# Altium PCB Carte_GR_2017_logique_v1_ECO_JEAN.PcbDoc (part 1 of 3) (continued)
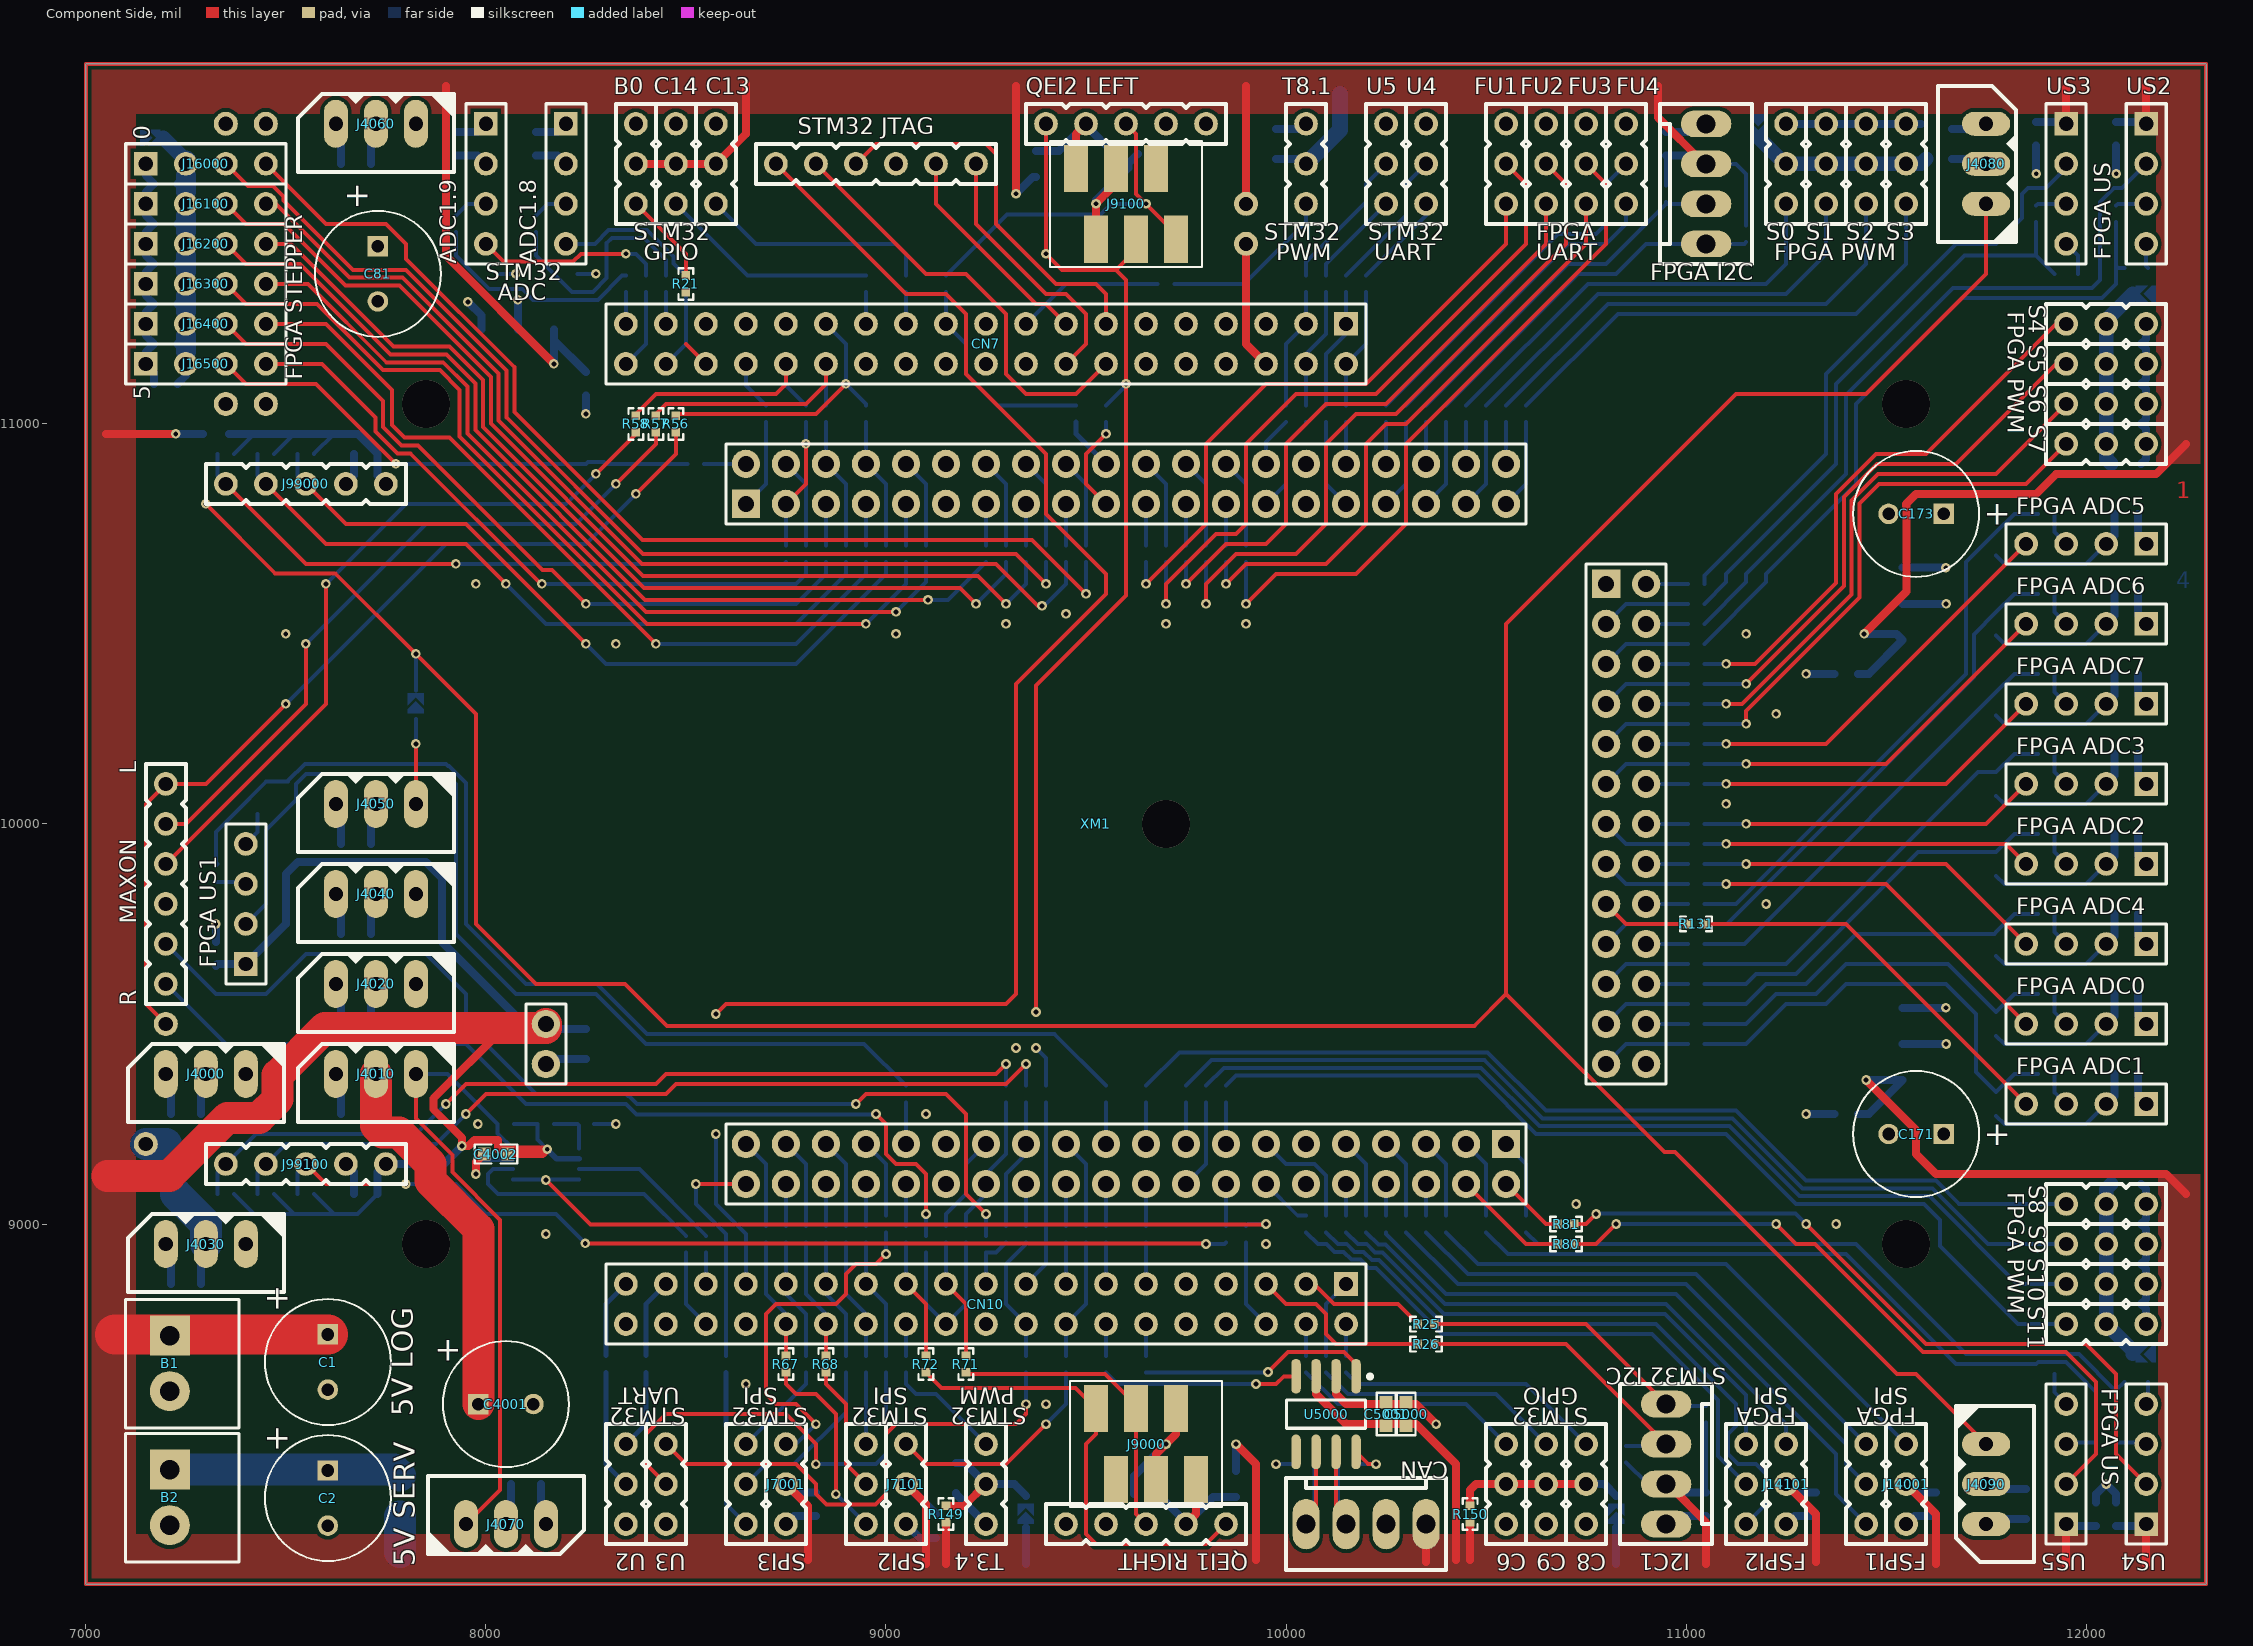
[diagram p0: Component Side view]
## Design rules (kind name [scope] priority, off if disabled: settings)
Clearance Clearance_2 [IsRegion and InComponent('SB*') vs InNet('DYNA_D0')] p1: gap=0
Clearance Clearance_1 [IsPad and InComponent('SB1')] p2: gap=0
Clearance [All] p3: gap=9.5
ComponentClearance [All] p1: gap=-1 collisioncheckmode=3 verticalgap=10 showdistances=FALSE
PolygonConnect [All] p1: connectstyle=Direct reliefconductorwidth=20 reliefentries=4 polygonreliefangle="90 Angle" airgapwidth=10
RoutingVias [All] p1: holewidth=28 width=50 viastyle="Through Hole" minholewidth=6 minwidth=10 maxholewidth=5000 maxwidth=5000
ShortCircuit ShortCircuit_4 [IsRegion and InComponent('SB*') vs InNet('DYNA_D0')] p1: allowed=TRUE
ShortCircuit ShortCircuit_3 [IsRegion and InComponent('SB*') vs InNet('VCC_DYNA')] p2: allowed=TRUE
ShortCircuit ShortCircuit_2 [IsRegion and InComponent('SB*') vs InNet('5V_SERVO')] p3: allowed=TRUE
ShortCircuit ShortCircuit_1 [IsPad and InComponent('SB*')] p4: allowed=TRUE
ShortCircuit [All] p5: allowed=FALSE
SolderMaskExpansion [All] p1: expansion=4
Width [All] p1: maxlimit=1000 minlimit=10 preferedwidth=20
28 further rules are at their usual default settings.

## Classes and differential pairs
component class core_logique: C3 CN7 CN10 R1 R2 R5 R6 R7 R8 R9 R12 R13 R14 R15 R16 R17 R18 R19 R20 R21 R22 R23 R24 R25 R26 R27 R28 R29 R31 R32 R33 R34 R35 R36 R38 R39 R40 R41 R42 R43 R44 R45 R46 R47 R48 R49 R50 R51 R52 R53 R54 R56 R57 R58 R60 R61 R62 R63 R64 R65 R66 R67 R68 R69 R70 R71 R72 R73 R74 R75 R76 R77 R78 R79 R80 R81 R82 R83 R84 R85 R86 R87 R88 R89 R90 R91 R92 R93 R94 R95 R96 R97 R98 R99 R100 R101 R102 R103 R104 R105 R106 R107 R108 R109 R110 R111 R112 R113 R114 R115 R116 R117 R118 R119 R120 R121 R122 R123 R124 R125 R126 R127 R128 R129 R130 R131 R132 R133 R134 R135 R136 R137 R138 R139 R140 R141 R142 R143 R144 R145 R146 R147 XM1
component class divers: B1 B2 C1 C2 C80 C81 C170 C171 C172 C173 FB2 LDO80 LDO170 LDO171
component class interfaces_fpga: C11000 C11010 C11020 C11030 C11040 C11050 C11060 C11070 C11080 C11090 C11100 C11110 C13000 C14000 C14100 C15000 C15001 C15100 C15101 C15200 C15201 C15300 C15301 C15400 C15401 C16000 C16100 C16200 C16300 C16400 C16500 C17000 C17001 C17100 C17101 C17200 C17201 C17300 C17301 C17400 C17401 C17500 C17501 C17600 C17601 C17700 C17701 C99000 C99100 "FPGA ADC0" "FPGA ADC1" "FPGA ADC2" "FPGA ADC3" "FPGA ADC4" "FPGA ADC5" "FPGA ADC6" "FPGA ADC7" "FPGA I2c" "FPGA US1" FSPI1 FSPI2 FU1 FU2 FU3 FU4 J14001 J14101 J16100 J16200 J16300 J16400 J16500 J99000 J99100 P0 R13000 R13001 R15000 R15100 R15200 R15300 R15400 R17000 R17100 R17200 R17300 R17400 R17500 R17600 R17700 R99000 R99001 R99002 R99100 R99101 R99102 S0 S1 S2 S3 S4 S5 S6 S7 S8 S9 S10 S11 US2 US3 US4 US5
component class interfaces_nucleo: ADC1.8 ADC1.9 B0 C6 C8 C9 C13 C14 C2100 C2400 C4000 C4001 C4002 C4010 C4020 C4030 C4040 C4050 C4060 C4070 C4080 C4090 C5000 C5001 C6100 C7000 C7100 C8000 C8001 C8100 C8101 C9000 C9100 CAN FB9000 FU4 I2C1 J4000 J4010 J4020 J4030 J4040 J4050 J4060 J4070 J4080 J4090 J7001 J7101 J9000 J9100 MAXON "QEI1 RIGHT" "QEI2 LEFT" R4000 R4001 R4002 R5000 R5001 R6100 R6101 R8000 R8100 SPI2 SPI3 T3.4 T8.1 U3 U5 U4000 U5000

## Components (designator, comment, footprint, x,y, rotation, side; value= is the part's Value field where it differs from the comment)
ADC1.8 "MC34645" HDR1X4 8200,11750 r270 top (schematic designator J8100)
ADC1.9 "MC34645" HDR1X4 8000,11750 r270 top (schematic designator J8000)
B0 "22-03-2031" 22-03-2031 8375,11650 r90 top (schematic designator J1000)
B1 "1776275-2" BORNIER_2V_3.5MM 7210,8720 r270 top
B2 "1776275-2" BORNIER_2V_3.5MM 7210,8385 r270 top
C1 "470 uF" WCAP-ATG8_8x11.5x3.5x0.5 7605,8655 r90 top
C2 "470 uF" WCAP-ATG8_8x11.5x3.5x0.5 7605,8315 r90 top
C3 "1uF" "WCAP-CSGP_0805, 2x1.25x1.25" 8250,9450 r90 bottom
C6 "22-03-2031" 22-03-2031 10550,8350 r270 top (schematic designator J1600)
C8 "22-03-2031" 22-03-2031 10750,8350 r270 top (schematic designator J1500)
C9 "22-03-2031" 22-03-2031 10650,8350 r270 top (schematic designator J1400)
C13 "22-03-2031" 22-03-2031 8575,11650 r90 top (schematic designator J1300)
C14 "22-03-2031" 22-03-2031 8475,11650 r90 top (schematic designator J1200)
C80 "1µF" "WCAP-CSGP_0603, 1.6x0.8x0.8" 8250,11100 r270 bottom
C81 "470 uF" WCAP-ATG8_8x11.5x3.5x0.5 7730,11375 r90 top
C170 "1µF" "WCAP-CSGP_0603, 1.6x0.8x0.8" 11400,9275 r180 bottom
C171 "470 uF" WCAP-ATG8_8x11.5x3.5x0.5 11575,9225 r0 top
C172 "1µF" "WCAP-CSGP_0603, 1.6x0.8x0.8" 11400,10375 r180 bottom
C173 "470 uF" WCAP-ATG8_8x11.5x3.5x0.5 11575,10775 r0 top
C2100 "1uF" "WCAP-CSGP_0805, 2x1.25x1.25" 9975,11700 r270 bottom
C2400 "1uF" "WCAP-CSGP_0805, 2x1.25x1.25" 9175,8365 r90 bottom
C4000 "4.7uF" "WCAP-CSGP_0805, 2x1.25x1.25" 7250,9275 r0 bottom
C4001 "470 uF" WCAP-ATG8_8x11.5x3.5x0.5 8050,8550 r180 top
C4002 "100nF" "WCAP-CSGP_0603, 1.6x0.8x0.8" 8025,9175 r180 top
C4010 "4.7uF" "WCAP-CSGP_0805, 2x1.25x1.25" 7675,9275 r0 bottom
C4020 "4.7uF" "WCAP-CSGP_0805, 2x1.25x1.25" 7675,9500 r0 bottom
C4030 "4.7uF" "WCAP-CSGP_0805, 2x1.25x1.25" 7250,8850 r0 bottom
C4040 "4.7uF" "WCAP-CSGP_0805, 2x1.25x1.25" 7675,9725 r0 bottom
C4050 "4.7uF" "WCAP-CSGP_0805, 2x1.25x1.25" 7675,9950 r0 bottom
C4060 "4.7uF" "WCAP-CSGP_0805, 2x1.25x1.25" 7675,11650 r0 bottom
C4070 "4.7uF" "WCAP-CSGP_0805, 2x1.25x1.25" 8100,8350 r180 bottom
C4080 "4.7uF" "WCAP-CSGP_0805, 2x1.25x1.25" 11665,11700 r270 bottom
C4090 "4.7uF" "WCAP-CSGP_0805, 2x1.25x1.25" 11850,8300 r90 bottom
C5000 "1µF" "WCAP-CSGP_0603, 1.6x0.8x0.8" 10300,8525 r90 top
C5001 "100nF" "WCAP-CSGP_0603, 1.6x0.8x0.8" 10250,8525 r90 top
C6100 "1µF" "WCAP-CSGP_0603, 1.6x0.8x0.8" 11050,8300 r270 bottom
C7000 "1µF" "WCAP-CSGP_0603, 1.6x0.8x0.8" 8825,8300 r270 bottom
C7100 "1µF" "WCAP-CSGP_0603, 1.6x0.8x0.8" 9125,8245 r270 bottom
C8000 "1µF" "WCAP-CSGP_0603, 1.6x0.8x0.8" 7925,11700 r270 bottom
C8001 "47nF" "WCAP-CSGP_0603, 1.6x0.8x0.8" 8000,11375 r180 bottom
C8100 "1µF" "WCAP-CSGP_0603, 1.6x0.8x0.8" 8125,11700 r270 bottom
C8101 "47nF" "WCAP-CSGP_0603, 1.6x0.8x0.8" 8200,11375 r180 bottom
C9000 "100nF" "WCAP-CSGP_0603, 1.6x0.8x0.8" 9650,8325 r180 bottom
C9100 "100nF" "WCAP-CSGP_0603, 1.6x0.8x0.8" 9600,11675 r0 bottom
C11000 "1uF" "WCAP-CSGP_0805, 2x1.25x1.25" 11300,11700 r270 bottom
C11010 "1uF" "WCAP-CSGP_0805, 2x1.25x1.25" 11400,11700 r270 bottom
C11020 "1uF" "WCAP-CSGP_0805, 2x1.25x1.25" 11500,11700 r270 bottom
C11030 "1uF" "WCAP-CSGP_0805, 2x1.25x1.25" 11600,11700 r270 bottom
C11040 "1uF" "WCAP-CSGP_0805, 2x1.25x1.25" 12100,11200 r180 bottom
C11050 "1uF" "WCAP-CSGP_0805, 2x1.25x1.25" 12100,11100 r180 bottom
C11060 "1uF" "WCAP-CSGP_0805, 2x1.25x1.25" 12100,11000 r180 bottom
C11070 "1uF" "WCAP-CSGP_0805, 2x1.25x1.25" 12100,10900 r180 bottom
C11080 "1uF" "WCAP-CSGP_0805, 2x1.25x1.25" 12100,9100 r180 bottom
C11090 "1uF" "WCAP-CSGP_0805, 2x1.25x1.25" 12100,9000 r180 bottom
C11100 "1uF" "WCAP-CSGP_0805, 2x1.25x1.25" 12100,8900 r180 bottom
C11110 "1uF" "WCAP-CSGP_0805, 2x1.25x1.25" 12100,8800 r180 bottom
C13000 "1µF" "WCAP-CSGP_0603, 1.6x0.8x0.8" 10950,11700 r90 bottom
C14000 "1µF" "WCAP-CSGP_0603, 1.6x0.8x0.8" 11625,8300 r270 bottom
C14100 "1µF" "WCAP-CSGP_0603, 1.6x0.8x0.8" 11325,8300 r270 bottom
C15000 "1µF" "WCAP-CSGP_0603, 1.6x0.8x0.8" 7325,9675 r90 bottom
C15001 "47nF" "WCAP-CSGP_0603, 1.6x0.8x0.8" 7400,10025 r180 bottom
C15100 "1µF" "WCAP-CSGP_0603, 1.6x0.8x0.8" 12075,11725 r270 bottom
C15101 "47nF" "WCAP-CSGP_0603, 1.6x0.8x0.8" 12125,11390 r180 bottom
C15200 "1µF" "WCAP-CSGP_0603, 1.6x0.8x0.8" 11875,11725 r270 bottom
C15201 "47nF" "WCAP-CSGP_0603, 1.6x0.8x0.8" 11950,11375 r180 bottom
C15300 "1µF" "WCAP-CSGP_0603, 1.6x0.8x0.8" 12075,8275 r90 bottom
C15301 "47nF" "WCAP-CSGP_0603, 1.6x0.8x0.8" 12125,8605 r180 bottom
C15400 "1µF" "WCAP-CSGP_0603, 1.6x0.8x0.8" 12025,8275 r90 bottom
C15401 "47nF" "WCAP-CSGP_0603, 1.6x0.8x0.8" 11950,8625 r0 bottom
C16000 "1µF" "WCAP-CSGP_0603, 1.6x0.8x0.8" 7200,11600 r180 bottom
C16100 "1µF" "WCAP-CSGP_0603, 1.6x0.8x0.8" 7200,11500 r180 bottom
C16200 "1µF" "WCAP-CSGP_0603, 1.6x0.8x0.8" 7200,11400 r180 bottom
C16300 "1µF" "WCAP-CSGP_0603, 1.6x0.8x0.8" 7200,11300 r180 bottom
C16400 "1µF" "WCAP-CSGP_0603, 1.6x0.8x0.8" 7200,11200 r180 bottom
C16500 "1µF" "WCAP-CSGP_0603, 1.6x0.8x0.8" 7200,11100 r180 bottom
C17000 "1µF" "WCAP-CSGP_0603, 1.6x0.8x0.8" 12100,9575 r180 bottom
C17001 "47nF" "WCAP-CSGP_0603, 1.6x0.8x0.8" 11775,9500 r90 bottom
C17100 "1µF" "WCAP-CSGP_0603, 1.6x0.8x0.8" 12100,9375 r180 bottom
C17101 "47nF" "WCAP-CSGP_0603, 1.6x0.8x0.8" 11775,9300 r90 bottom
C17200 "1µF" "WCAP-CSGP_0603, 1.6x0.8x0.8" 12100,9975 r180 bottom
C17201 "47nF" "WCAP-CSGP_0603, 1.6x0.8x0.8" 11775,9900 r90 bottom
C17300 "1µF" "WCAP-CSGP_0603, 1.6x0.8x0.8" 12100,10175 r180 bottom
C17301 "47nF" "WCAP-CSGP_0603, 1.6x0.8x0.8" 11775,10100 r90 bottom
C17400 "1µF" "WCAP-CSGP_0603, 1.6x0.8x0.8" 12100,9775 r180 bottom
C17401 "47nF" "WCAP-CSGP_0603, 1.6x0.8x0.8" 11775,9700 r90 bottom
C17500 "1µF" "WCAP-CSGP_0603, 1.6x0.8x0.8" 12100,10775 r180 bottom
C17501 "47nF" "WCAP-CSGP_0603, 1.6x0.8x0.8" 11775,10700 r90 bottom
C17600 "1µF" "WCAP-CSGP_0603, 1.6x0.8x0.8" 12100,10575 r180 bottom
C17601 "47nF" "WCAP-CSGP_0603, 1.6x0.8x0.8" 11775,10500 r90 bottom
C17700 "1µF" "WCAP-CSGP_0603, 1.6x0.8x0.8" 12100,10375 r180 bottom
C17701 "47nF" "WCAP-CSGP_0603, 1.6x0.8x0.8" 11775,10300 r90 bottom
C99000 "100nF" "WCAP-CSGP_0603, 1.6x0.8x0.8" 7700,10925 r180 bottom
C99100 "100nF" "WCAP-CSGP_0603, 1.6x0.8x0.8" 7700,9075 r180 bottom
CAN "22-27-2041" 22-27-2041 10200,8250 r0 top (schematic designator J5000)
CN7 "SSW-119-01-T-D" "CONN RCPT .100\" 38POS DUAL TIN" 10150,11250 r180 top
CN10 "SSW-119-01-T-D" "CONN RCPT .100\" 38POS DUAL TIN" 10150,8850 r180 top
FB2 "742792023" "WE-CBF_0805_High Current" 7785,8320 r90 bottom
FB9000 "742792624" "WE-CBF_0603_High Current" 9875,8350 r270 bottom
FB9100 "742792624" "WE-CBF_0603_High Current" 9375,11650 r90 bottom
FB99000 "742792624" "WE-CBF_0603_High Current" 7325,10975 r0 bottom
FB99100 "742792624" "WE-CBF_0603_High Current" 7850,9150 r180 bottom
"FPGA ADC0" "MC34645" HDR1X4 12150,9500 r180 top (schematic designator J17000)
"FPGA ADC1" "MC34645" HDR1X4 12150,9300 r180 top (schematic designator J17100)
"FPGA ADC2" "MC34645" HDR1X4 12150,9900 r180 top (schematic designator J17200)
"FPGA ADC3" "MC34645" HDR1X4 12150,10100 r180 top (schematic designator J17300)
"FPGA ADC4" "MC34645" HDR1X4 12150,9700 r180 top (schematic designator J17400)
"FPGA ADC5" "MC34645" HDR1X4 12150,10700 r180 top (schematic designator J17500)
"FPGA ADC6" "MC34645" HDR1X4 12150,10500 r180 top (schematic designator J17600)
"FPGA ADC7" "MC34645" HDR1X4 12150,10300 r180 top (schematic designator J17700)
"FPGA I2C" "22-27-2041" 22-27-2041 11050,11600 r90 top (schematic designator J13000)
"FPGA US1" "MC34645" HDR1X4 7400,9650 r90 top (schematic designator J15000)
FSPI1 "22-03-2031" 22-03-2031 11450,8350 r270 top (schematic designator J14000)
FSPI2 "22-03-2031" 22-03-2031 11150,8350 r270 top (schematic designator J14100)
FU1 "22-03-2031" 22-03-2031 10550,11650 r90 top (schematic designator J12000)
FU2 "22-03-2031" 22-03-2031 10650,11650 r90 top (schematic designator J12100)
FU3 "22-03-2031" 22-03-2031 10750,11650 r90 top (schematic designator J12200)
FU4 "22-03-2031" 22-03-2031 10850,11650 r90 top (schematic designator J12300)
I2C1 "22-27-2041" 22-27-2041 10950,8400 r270 top (schematic designator J6100)
J4000 "22-03-5035" 20-03-5035 7300,9350 r0 top
J4010 "22-03-5035" 20-03-5035 7725,9350 r0 top
J4020 "22-03-5035" 20-03-5035 7725,9575 r0 top
J4030 "22-03-5035" 20-03-5035 7300,8925 r0 top
J4040 "22-03-5035" 20-03-5035 7725,9800 r0 top
J4050 "22-03-5035" 20-03-5035 7725,10025 r0 top
J4060 "22-03-5035" 20-03-5035 7725,11725 r0 top
J4070 "22-03-5035" 20-03-5035 8050,8275 r180 top
J4080 "22-03-5035" 20-03-5035 11725,11650 r270 top
J4090 "22-03-5035" 20-03-5035 11775,8350 r90 top
J7001 "22-03-2031" 22-03-2031 8750,8350 r270 top
J7101 "22-03-2031" 22-03-2031 9050,8350 r270 top
J9000 "partNo" 690367280676 9650,8450 r0 top
J9100 "partNo" 690367280676 9600,11550 r180 top
J14001 "22-03-2031" 22-03-2031 11550,8350 r270 top
J14101 "22-03-2031" 22-03-2031 11250,8350 r270 top
J16000 "MC34645" HDR1X4 7150,11650 r0 top
J16100 "MC34645" HDR1X4 7150,11550 r0 top
J16200 "MC34645" HDR1X4 7150,11450 r0 top
J16300 "MC34645" HDR1X4 7150,11350 r0 top
J16400 "MC34645" HDR1X4 7150,11250 r0 top
J16500 "MC34645" HDR1X4 7150,11150 r0 top
J99000 "22-03-2051" 22-03-2051 7550,10850 r0 top
J99100 "22-03-2051" 22-03-2051 7550,9150 r0 top
LDO80 "ZLDO1117" SOT223_M 8080,11120 r270 bottom
LDO170 "ZLDO1117" SOT223_M 11425,9450 r180 bottom
LDO171 "ZLDO1117" SOT223_M 11425,10550 r180 bottom (schematic designator LDO171.)
MAXON "22-03-2061" 22-03-2061 7200,9850 r90 top (schematic designator J10000)
"QEI1 RIGHT" "22-03-2051" 22-03-2051 9650,8250 r180 top (schematic designator J9001)
"QEI2 LEFT" "22-03-2051" 22-03-2051 9600,11750 r0 top (schematic designator J9101)
R1 "RC0402FR-0722RL" RESC1005X04N 10100,11025 r90 bottom
R2 "RC0402FR-0722RL" RESC1005X04N 10000,11025 r90 bottom
R5 "RC0402FR-0722RL" RESC1005X04N 9475,11025 r90 bottom
R6 "RC0402FR-0722RL" RESC1005X04N 9150,11350 r270 bottom
R7 "RC0402FR-0722RL" RESC1005X04N 9050,11350 r270 bottom
R8 "RC0402FR-0722RL" RESC1005X04N 8950,11350 r270 bottom
R9 "RC0402FR-0722RL" RESC1005X04N 8950,11025 r90 bottom
R12 "RC0402FR-0722RL" RESC1005X04N 8450,11350 r90 bottom
R13 "RC0402FR-0722RL" RESC1005X04N 8350,11350 r90 bottom
R14 "RC0402FR-0722RL" RESC1005X04N 10200,11350 r270 bottom
R15 "RC0402FR-0722RL" RESC1005X04N 10100,11350 r270 bottom
R16 "RC0402FR-0722RL" RESC1005X04N 10150,11025 r90 bottom
R17 "RC0402FR-0722RL" RESC1005X04N 10050,11025 r90 bottom
R18 "RC0402FR-0722RL" RESC1005X04N 8850,11025 r90 bottom
R19 "RC0402FR-0722RL" RESC1005X04N 8800,11025 r90 bottom
R20 "RC0402FR-0722RL" RESC1005X04N 8700,11025 r90 bottom
R21 "RC0402FR-0722RL" RESC1005X04N 8500,11350 r270 top
R22 "RC0402FR-0722RL" RESC1005X04N 8500,11350 r270 bottom
R23 "RC0402FR-0722RL" RESC1005X04N 8400,11350 r270 bottom
R24 "RC0402FR-0722RL" RESC1005X04N 10100,8650 r270 bottom
R25 "RC0402FR-0722RL" RESC1005X04N 10350,8750 r0 top
R26 "RC0402FR-0722RL" RESC1005X04N 10350,8700 r0 top
R27 "RC0402FR-0722RL" RESC1005X04N 9650,8975 r90 bottom
R28 "RC0402FR-0722RL" RESC1005X04N 9550,8975 r90 bottom
R29 "RC0402FR-0722RL" RESC1005X04N 9450,8975 r90 bottom
R31 "RC0402FR-0722RL" RESC1005X04N 9300,8975 r90 bottom
R32 "RC0402FR-0722RL" RESC1005X04N 9150,8975 r90 bottom
R33 "RC0402FR-0722RL" RESC1005X04N 9050,8975 r90 bottom
R34 "RC0402FR-0722RL" RESC1005X04N 8950,8975 r90 bottom
R35 "RC0402FR-0722RL" RESC1005X04N 8850,8975 r90 bottom
R36 "RC0402FR-0722RL" RESC1005X04N 8750,8975 r90 bottom
R38 "RC0402FR-0722RL" RESC1005X04N 8550,8950 r90 bottom
R39 "RC0402FR-0722RL" RESC1005X04N 10150,8650 r90 bottom
R40 "RC0402FR-0722RL" RESC1005X04N 10050,8650 r90 bottom
R41 "RC0402FR-0722RL" RESC1005X04N 9900,8975 r270 bottom
R42 "RC0402FR-0722RL" RESC1005X04N 9650,8650 r90 bottom
R43 "RC0402FR-0722RL" RESC1005X04N 9550,8650 r90 bottom
R44 "RC0402FR-0722RL" RESC1005X04N 9500,8975 r270 bottom
R45 "RC0402FR-0722RL" RESC1005X04N 9350,8975 r270 bottom
R46 "RC0402FR-0722RL" RESC1005X04N 9200,8975 r270 bottom
R47 "RC0402FR-0722RL" RESC1005X04N 9050,8650 r90 bottom
R48 "RC0402FR-0722RL" RESC1005X04N 8900,8975 r270 bottom
R49 "RC0402FR-0722RL" RESC1005X04N 8800,8975 r270 bottom
R50 "RC0402FR-0722RL" RESC1005X04N 8700,8975 r270 bottom
R51 "RC0402FR-0722RL" RESC1005X04N 8500,8950 r270 bottom
R52 "RC0402FR-0722RL" RESC1005X04N 10150,11350 r90 bottom
R53 "RC0402FR-0722RL" RESC1005X04N 10050,11350 r90 bottom
R54 "RC0402FR-0722RL" RESC1005X04N 9700,11350 r0 bottom
R56 "RC0402FR-0722RL" RESC1005X04N 8475,11000 r270 top
R57 "RC0402FR-0722RL" RESC1005X04N 8425,11000 r90 top
R58 "RC0402FR-0722RL" RESC1005X04N 8375,11000 r90 top
R60 "RC0402FR-0722RL" RESC1005X04N 9000,8650 r270 bottom
R61 "RC0402FR-0722RL" RESC1005X04N 8600,8650 r270 bottom
R62 "RC0402FR-0722RL" RESC1005X04N 8900,8650 r270 bottom
R63 "RC0402FR-0722RL" RESC1005X04N 8800,8650 r270 bottom
R64 "RC0402FR-0722RL" RESC1005X04N 9250,8950 r270 bottom
R65 "RC0402FR-0722RL" RESC1005X04N 9100,8950 r90 bottom
R66 "RC0402FR-0722RL" RESC1005X04N 9350,8650 r270 bottom
R67 "RC0402FR-0722RL" RESC1005X04N 8750,8650 r270 top
R68 "RC0402FR-0722RL" RESC1005X04N 8850,8650 r270 top
R69 "RC0402FR-0722RL" RESC1005X04N 8950,8650 r270 bottom
R70 "RC0402FR-0722RL" RESC1005X04N 9450,8650 r270 bottom
R71 "RC0402FR-0722RL" RESC1005X04N 9200,8650 r270 top
R72 "RC0402FR-0722RL" RESC1005X04N 9100,8650 r270 top
R73 "RC0402FR-0722RL" RESC1005X04N 9300,9325 r270 bottom
R74 "RC0402FR-0722RL" RESC1005X04N 9800,9325 r270 bottom
R75 "RC0402FR-0722RL" RESC1005X04N 9850,8975 r90 bottom
R76 "RC0402FR-0722RL" RESC1005X04N 10050,9000 r90 bottom
R77 "RC0402FR-0722RL" RESC1005X04N 10150,9000 r90 bottom
R78 "RC0402FR-0722RL" RESC1005X04N 10250,9000 r90 bottom
R79 "RC0402FR-0722RL" RESC1005X04N 10350,9000 r90 bottom
R80 "RC0402FR-0722RL" RESC1005X04N 10700,8950 r180 top
R81 "RC0402FR-0722RL" RESC1005X04N 10700,9000 r180 top
R82 "RC0402FR-0722RL" RESC1005X04N 9000,9000 r270 bottom
R83 "RC0402FR-0722RL" RESC1005X04N 9050,9325 r90 bottom
R84 "RC0402FR-0722RL" RESC1005X04N 9350,9325 r90 bottom
R85 "RC0402FR-0722RL" RESC1005X04N 9550,9325 r90 bottom
R86 "RC0402FR-0722RL" RESC1005X04N 9650,9325 r90 bottom
R87 "RC0402FR-0722RL" RESC1005X04N 9750,9325 r90 bottom
R88 "RC0402FR-0722RL" RESC1005X04N 9850,9325 r90 bottom
R89 "RC0402FR-0722RL" RESC1005X04N 10100,9000 r270 bottom
R90 "RC0402FR-0722RL" RESC1005X04N 10200,9000 r270 bottom
R91 "RC0402FR-0722RL" RESC1005X04N 10300,9000 r270 bottom
R92 "RC0402FR-0722RL" RESC1005X04N 10400,9000 r270 bottom
R93 "RC0402FR-0722RL" RESC1005X04N 10500,9000 r270 bottom
R94 "RC0402FR-0722RL" RESC1005X04N 10600,9000 r270 bottom
R95 "RC0402FR-0722RL" RESC1005X04N 8750,10675 r90 bottom
R96 "RC0402FR-0722RL" RESC1005X04N 8850,10675 r90 bottom
R97 "RC0402FR-0722RL" RESC1005X04N 8950,10675 r90 bottom
R98 "RC0402FR-0722RL" RESC1005X04N 9050,10675 r90 bottom
R99 "RC0402FR-0722RL" RESC1005X04N 9250,10675 r90 bottom
R100 "RC0402FR-0722RL" RESC1005X04N 9350,10675 r90 bottom
R101 "RC0402FR-0722RL" RESC1005X04N 9450,10675 r90 bottom
R102 "RC0402FR-0722RL" RESC1005X04N 9650,10675 r90 bottom
R103 "RC0402FR-0722RL" RESC1005X04N 9750,10675 r90 bottom
R104 "RC0402FR-0722RL" RESC1005X04N 9850,10675 r90 bottom
R105 "RC0402FR-0722RL" RESC1005X04N 10300,11025 r270 bottom
R106 "RC0402FR-0722RL" RESC1005X04N 10400,11025 r270 bottom
R107 "RC0402FR-0722RL" RESC1005X04N 10500,11025 r270 bottom
R108 "RC0402FR-0722RL" RESC1005X04N 10600,11025 r270 bottom
R109 "RC0402FR-0722RL" RESC1005X04N 8525,10900 r180 bottom
R110 "RC0402FR-0722RL" RESC1005X04N 8800,10675 r270 bottom
R111 "RC0402FR-0722RL" RESC1005X04N 8900,10675 r270 bottom
R112 "RC0402FR-0722RL" RESC1005X04N 9000,10675 r270 bottom
R113 "RC0402FR-0722RL" RESC1005X04N 9100,10675 r270 bottom
R114 "RC0402FR-0722RL" RESC1005X04N 9300,10675 r270 bottom
R115 "RC0402FR-0722RL" RESC1005X04N 9400,10675 r270 bottom
R116 "RC0402FR-0722RL" RESC1005X04N 9500,10675 r270 bottom
R117 "RC0402FR-0722RL" RESC1005X04N 9700,10675 r270 bottom
R118 "RC0402FR-0722RL" RESC1005X04N 9800,10675 r270 bottom
R119 "RC0402FR-0722RL" RESC1005X04N 9900,10675 r270 bottom
R120 "RC0402FR-0722RL" RESC1005X04N 10250,11025 r90 bottom
R121 "RC0402FR-0722RL" RESC1005X04N 10350,11025 r90 bottom
R122 "RC0402FR-0722RL" RESC1005X04N 10450,11025 r90 bottom
R123 "RC0402FR-0722RL" RESC1005X04N 10550,11025 r90 bottom
R124 "RC0402FR-0722RL" RESC1005X04N 11025,10550 r180 bottom
R125 "RC0402FR-0722RL" RESC1005X04N 11025,10450 r180 bottom
R126 "RC0402FR-0722RL" RESC1005X04N 11025,10350 r180 bottom
R127 "RC0402FR-0722RL" RESC1005X04N 11025,10250 r180 bottom
R128 "RC0402FR-0722RL" RESC1005X04N 11025,10150 r180 bottom
R129 "RC0402FR-0722RL" RESC1005X04N 11025,9950 r180 bottom
R130 "RC0402FR-0722RL" RESC1005X04N 11025,9850 r180 bottom
R131 "RC0402FR-0722RL" RESC1005X04N 11025,9750 r180 top
R132 "RC0402FR-0722RL" RESC1005X04N 11025,9750 r180 bottom
R133 "RC0402FR-0722RL" RESC1005X04N 11025,9650 r180 bottom
R134 "RC0402FR-0722RL" RESC1005X04N 11025,9550 r180 bottom
R135 "RC0402FR-0722RL" RESC1005X04N 11025,9450 r180 bottom
R136 "RC0402FR-0722RL" RESC1005X04N 11025,10600 r0 bottom
R137 "RC0402FR-0722RL" RESC1005X04N 11025,10500 r0 bottom
R138 "RC0402FR-0722RL" RESC1005X04N 11025,10400 r0 bottom
R139 "RC0402FR-0722RL" RESC1005X04N 11025,10300 r0 bottom
R140 "RC0402FR-0722RL" RESC1005X04N 11025,10200 r0 bottom
R141 "RC0402FR-0722RL" RESC1005X04N 11025,10100 r0 bottom
R142 "RC0402FR-0722RL" RESC1005X04N 11025,10000 r0 bottom
R143 "RC0402FR-0722RL" RESC1005X04N 11025,9900 r0 bottom
R144 "RC0402FR-0722RL" RESC1005X04N 11025,9800 r0 bottom
R145 "RC0402FR-0722RL" RESC1005X04N 11025,9700 r0 bottom
R146 "RC0402FR-0722RL" RESC1005X04N 11025,9600 r0 bottom
R147 "RC0402FR-0722RL" RESC1005X04N 11025,9500 r0 bottom
R148 "RC0402FR-0722RL" RESC1005X04N 9400,9325 r90 bottom (schematic designator R84)
R149 "RC0402FR-0722RL" RESC1005X04N 9150,8275 r270 top (schematic designator R72)
R150 "RC0402FR-0722RL" RESC1005X04N 10460,8275 r270 top (schematic designator R72)
R151 "RC0402FR-0722RL" RESC1005X04N 8400,8650 r270 bottom (schematic designator R61)
R152 "RC0402FR-0722RL" RESC1005X04N 8300,8650 r270 bottom (schematic designator R61)
R153 "RC0402FR-0722RL" RESC1005X04N 9550,11025 r270 bottom (schematic designator R61)
R4000 "RC0402FR-07100RL" RESC1005X04N 8050,9250 r0 bottom
R4001 "RC0402FR-07100RL" RESC1005X04N 8150,9250 r180 bottom
R4002 "RC0402FR-07100RL" RESC1005X04N 8250,9250 r180 bottom
R5000 "RC0402FR-07100RL" RESC1005X04N 10150,8400 r180 bottom
R5001 "RC0402FR-07100RL" RESC1005X04N 10050,8400 r180 bottom
R6100 "RC0402FR-07100RL" RESC1005X04N 10850,8425 r270 bottom
R6101 "RC0402FR-07100RL" RESC1005X04N 11050,8525 r270 bottom
R8000 "RC0402FR-0722RL" RESC1005X04N 7925,11500 r90 bottom
R8100 "RC0402FR-0722RL" RESC1005X04N 8125,11500 r90 bottom
R13000 "RC0402FR-07100RL" RESC1005X04N 10950,11575 r90 bottom
R13001 "RC0402FR-07100RL" RESC1005X04N 11150,11475 r90 bottom
R15000 "RC0402FR-0722RL" RESC1005X04N 7325,9875 r270 bottom
R15100 "RC0402FR-0722RL" RESC1005X04N 12075,11525 r90 bottom
R15200 "RC0402FR-0722RL" RESC1005X04N 11875,11525 r90 bottom
R15300 "RC0402FR-0722RL" RESC1005X04N 12075,8475 r270 bottom
R15400 "RC0402FR-0722RL" RESC1005X04N 12025,8475 r270 bottom
R17000 "RC0402FR-0722RL" RESC1005X04N 11900,9575 r0 bottom
R17100 "RC0402FR-0722RL" RESC1005X04N 11900,9375 r0 bottom
R17200 "RC0402FR-0722RL" RESC1005X04N 11900,9975 r0 bottom
R17300 "RC0402FR-0722RL" RESC1005X04N 11900,10175 r0 bottom
R17400 "RC0402FR-0722RL" RESC1005X04N 11900,9775 r0 bottom
R17500 "RC0402FR-0722RL" RESC1005X04N 11900,10775 r0 bottom
R17600 "RC0402FR-0722RL" RESC1005X04N 11900,10575 r0 bottom
R17700 "RC0402FR-0722RL" RESC1005X04N 11900,10375 r0 bottom
R99000 "RC0402FR-07100RL" RESC1005X04N 7550,10925 r0 bottom
R99001 "RC0402FR-07100RL" RESC1005X04N 7450,10925 r0 bottom
R99002 "RC0402FR-07100RL" RESC1005X04N 7350,10925 r0 bottom
R99100 "RC0402FR-07100RL" RESC1005X04N 7550,9075 r0 bottom
R99101 "RC0402FR-07100RL" RESC1005X04N 7450,9075 r0 bottom
R99102 "RC0402FR-07100RL" RESC1005X04N 7350,9075 r0 bottom
S0 "22-03-2031" 22-03-2031 11250,11650 r90 top (schematic designator J11000)
S1 "22-03-2031" 22-03-2031 11350,11650 r90 top (schematic designator J11010)
S2 "22-03-2031" 22-03-2031 11450,11650 r90 top (schematic designator J11020)
S3 "22-03-2031" 22-03-2031 11550,11650 r90 top (schematic designator J11030)
S4 "22-03-2031" 22-03-2031 12050,11250 r0 top (schematic designator J11040)
S5 "22-03-2031" 22-03-2031 12050,11150 r0 top (schematic designator J11050)
S6 "22-03-2031" 22-03-2031 12050,11050 r0 top (schematic designator J11060)
S7 "22-03-2031" 22-03-2031 12050,10950 r0 top (schematic designator J11070)
S8 "22-03-2031" 22-03-2031 12050,9050 r0 top (schematic designator J11080)
S9 "22-03-2031" 22-03-2031 12050,8950 r0 top (schematic designator J11090)
S10 "22-03-2031" 22-03-2031 12050,8850 r0 top (schematic designator J11100)
S11 "22-03-2031" 22-03-2031 12050,8750 r0 top (schematic designator J11110)
SB1 "Circuit Breaker" JP2_SMD 11180,11750 r90 bottom (schematic designator SB24)
SB2 "Circuit Breaker" JP2_SMD 12150,11325 r0 bottom (schematic designator SB24)
SB3 "Circuit Breaker" JP2_SMD 12150,8675 r0 bottom (schematic designator SB24)
SB4 "Circuit Breaker" JP2_SMD 7215,9135 r270 bottom (schematic designator SB24)
SB5 "Circuit Breaker" JP2_SMD 7825,10300 r270 bottom (schematic designator SB24)
SB6 "Circuit Breaker" JP2_SMD 7160,11715 r180 bottom (schematic designator SB24)
SB7 "Circuit Breaker" JP2_SMD 9350,8275 r270 bottom (schematic designator SB24)
SB8 "Circuit Breaker" JP2_SMD 10825,8275 r270 bottom (schematic designator SB24)
SPI2 "22-03-2031" 22-03-2031 8950,8350 r270 top (schematic designator J7100)
SPI3 "22-03-2031" 22-03-2031 8650,8350 r270 top (schematic designator J7000)
"STM32 JTAG" "22-03-2061" 22-03-2061 8975,11650 r0 top (schematic designator J10000)
T3.4 "22-03-2031" 22-03-2031 9250,8350 r270 top (schematic designator J2400)
T8.1 "22-03-2031" 22-03-2031 10050,11650 r90 top (schematic designator J2100)
U2 "22-03-2031" 22-03-2031 8350,8350 r270 top (schematic designator J3200)
U3 "22-03-2031" 22-03-2031 8450,8350 r270 top (schematic designator J3200)
U4 "22-03-2031" 22-03-2031 10350,11650 r90 top (schematic designator J3100)
U5 "22-03-2031" 22-03-2031 10250,11650 r90 top (schematic designator J3000)
U4000 "MAX485CUA+" MMAX-8 8150,9150 r180 bottom
U5000 "MCP2551-I/SN" SO8_N 10100,8525 r270 top
US2 "MC34645" HDR1X4 12150,11750 r270 top (schematic designator J15100)
US3 "MC34645" HDR1X4 11950,11750 r270 top (schematic designator J15200)
US4 "MC34645" HDR1X4 12150,8250 r90 top (schematic designator J15300)
US5 "MC34645" HDR1X4 11950,8250 r90 top (schematic designator J15400)
XM1 "DE0-nano" DE0-NANO 9600,10000 r90 top

## Footprints (in the part's own frame and the unit in brackets; to place one, negate y for a bottom-side part, rotate by r counter-clockwise, add the part's x,y. Pads: shape width x height; smd on the part's side, far side on the other; paste and mask are expansions set on the pad)
20-03-5035 [mil]
  oval 60x120 hole 35.43: 1(100,25) 2(0,25) 3(-100,25)
  silkscreen extent -195,-95 195,100, body extent -195,-96 194,97, height 234
22-03-2031 [mm]
  round 1.5 hole 0.9: 1(2.54,0) 2(0,0) 3(-2.54,0)
  silkscreen extent -3.81,-1.27 3.81,1.27, body extent -3.81,-1.27 3.81,1.27, height 11.6
22-03-2051 [mm]
  round 1.5 hole 0.9: 1(5.08,0) 2(2.54,0) 3(0,0) 4(-2.54,0) 5(-5.08,0)
  silkscreen extent -6.35,-1.27 6.35,1.27, body extent -6.35,-1.27 6.35,1.27, height 11.6
22-03-2061 [mm]
  round 1.5 hole 0.9: 1(6.35,0) 2(3.81,0) 3(1.27,0) 4(-1.27,0) 5(-3.81,0) 6(-6.35,0)
  silkscreen extent -7.62,-1.27 7.62,1.27, body extent -7.62,-1.27 7.62,1.27, height 11.6
22-27-2041 [mm]
  oval 1.7x3.2 hole 1.2: 1(3.81,0) 2(1.27,0) 3(-1.27,0) 4(-3.81,0)
  silkscreen extent -5.08,-2.92 5.08,2.92, body extent -5.08,-2.92 5.08,2.88, height 11.72
690367280676 [mm] "without Latch, 6 pins, SMT, straight"
  rect 1.5x3 smd: 1(3.175,-2.25) 2(1.905,2.25) 3(0.635,-2.25) 4(-0.635,2.25) 5(-1.905,-2.25) 6(-3.175,2.25)
  silkscreen extent -4.81,-4 4.81,4, body extent -4.81,-5 4.81,3.5, height 5.75
BORNIER_2V_3.5MM [mm]
  rect 2.54x2.54 hole 1.25: 1(-0.025,0)
  round 2.54 hole 1.25: 2(3.5,0)
  silkscreen extent -2.31,-2.82 5.84,4.39, body extent -2.27,-5.08 5.83,5.32, height 21.81
"CONN RCPT .100\" 38POS DUAL TIN" [mm]
  rect 1.5x1.5 hole 0.9: 1(0,0)
  round 1.5 hole 0.9: 2(0,2.54) 3(2.54,0) 4(2.54,2.54) 5(5.08,0) 6(5.08,2.54) 7(7.62,0) 8(7.62,2.54) 9(10.16,0) 10(10.16,2.54) 11(12.7,0) 12(12.7,2.54) 13(15.24,0) 14(15.24,2.54) 15(17.78,0) 16(17.78,2.54) 17(20.32,0) 18(20.32,2.54) 19(22.86,0) 20(22.86,2.54) 21(25.4,0) 22(25.4,2.54) 23(27.94,0) 24(27.94,2.54) 25(30.48,0) 26(30.48,2.54) 27(33.02,0) 28(33.02,2.54) 29(35.56,0) 30(35.56,2.54) 31(38.1,0) 32(38.1,2.54) 33(40.64,0) 34(40.64,2.54) 35(43.18,0) 36(43.18,2.54) 37(45.72,0) 38(45.72,2.54)
  silkscreen extent -1.27,-1.27 46.99,3.81
DE0-NANO [mm]
  round 1.8 hole 1: 1(-12.7,36.83) 2(-15.24,36.83) 102(22.86,24.13) 103(20.32,21.59) 104(22.86,21.59) 105(20.32,19.05) 106(22.86,19.05) 107(20.32,16.51) 108(22.86,16.51) 109(20.32,13.97) 110(22.86,13.97) 111(20.32,11.43) 112(22.86,11.43) 113(20.32,8.89) 114(22.86,8.89) 115(20.32,6.35) 116(22.86,6.35) 117(20.32,3.81) 118(22.86,3.81) 119(20.32,1.27) 120(22.86,1.27) 121(20.32,-1.27) 122(22.86,-1.27) 123(20.32,-3.81) 124(22.86,-3.81) 125(20.32,-6.35) 126(22.86,-6.35) 127(20.32,-8.89) 128(22.86,-8.89) 129(20.32,-11.43) 130(22.86,-11.43) 131(20.32,-13.97) 132(22.86,-13.97) 133(20.32,-16.51) 134(22.86,-16.51) 135(20.32,-19.05) 136(22.86,-19.05) 137(20.32,-21.59) 138(22.86,-21.59) 139(20.32,-24.13) 140(22.86,-24.13) 202(-22.86,-24.13) 203(-20.32,-21.59) 204(-22.86,-21.59) 205(-20.32,-19.05) 206(-22.86,-19.05) 207(-20.32,-16.51) 208(-22.86,-16.51) 209(-20.32,-13.97) 210(-22.86,-13.97) 211(-20.32,-11.43) 212(-22.86,-11.43) 213(-20.32,-8.89) 214(-22.86,-8.89) 215(-20.32,-6.35) 216(-22.86,-6.35) 217(-20.32,-3.81) 218(-22.86,-3.81) 219(-20.32,-1.27) 220(-22.86,-1.27) 221(-20.32,1.27) 222(-22.86,1.27) 223(-20.32,3.81) 224(-22.86,3.81) 225(-20.32,6.35) 226(-22.86,6.35) 227(-20.32,8.89) 228(-22.86,8.89) 229(-20.32,11.43) 230(-22.86,11.43) 231(-20.32,13.97) 232(-22.86,13.97) 233(-20.32,16.51) 234(-22.86,16.51) 235(-20.32,19.05) 236(-22.86,19.05) 237(-20.32,21.59) 238(-22.86,21.59) 239(-20.32,24.13) 240(-22.86,24.13) 302(15.24,-33.02) 303(12.7,-30.48) 304(12.7,-33.02) 305(10.16,-30.48) 306(10.16,-33.02) 307(7.62,-30.48) 308(7.62,-33.02) 309(5.08,-30.48) 310(5.08,-33.02) 311(2.54,-30.48) 312(2.54,-33.02) 313(0,-30.48) 314(0,-33.02) 315(-2.54,-30.48) 316(-2.54,-33.02) 317(-5.08,-30.48) 318(-5.08,-33.02) 319(-7.62,-30.48) 320(-7.62,-33.02) 321(-10.16,-30.48) 322(-10.16,-33.02) 323(-12.7,-30.48) 324(-12.7,-33.02) 325(-15.24,-30.48) 326(-15.24,-33.02)
  rect 1.8x1.8 hole 1: 101(20.32,24.13) 201(-20.32,-24.13) 301(15.24,-30.48)
  silkscreen extent -24.13,-34.29 24.13,38.1, body extent -24.13,-34.29 24.13,38.1
HDR1X4 [mm]
  rect 1.5x1.5 hole 0.9: 1(0,0)
  round 1.5 hole 0.9: 2(2.54,0) 3(5.08,0) 4(7.62,0)
  silkscreen extent -1.27,-1.27 8.89,1.27
JP2_SMD [mil]
  rect 32x40 smd: 1(33.75,0) 2(-33.75,0)
  Component Side region: -26.25,0 -16.25,0 3.75,-20 -26.25,-20
  Component Side region: -26.25,0 -16.25,0 3.75,20 -26.25,20
  Component Side region: 23.75,20 13.75,20 -6.25,0 13.75,-20 23.75,-20
MMAX-8 [mm]
  rrect30% 1.8x0.4 smd: 1(-2.1,0.975) 2(-2.1,0.325) 3(-2.1,-0.325) 4(-2.1,-0.975) 5(2.1,-0.975) 6(2.1,-0.325) 7(2.1,0.325)
  rrect20% 1.8x0.4 smd: 8(2.1,0.975)
  silkscreen extent -2.41,-1.78 1.78,1.9, body extent -2.46,-1.5 2.46,1.5, height 1.1
RESC1005X04N [mm] "Chip Resistor, 2-Leads, Body 1,1x0,5mm, IPC High Density"
  rect 0.55x0.55 smd: 1(-0.525,0) 2(0.525,0)
  silkscreen extent -1,-0.47 1,0.47, body extent -0.5,-0.25 0.5,0.25, height 0.35
SO8_N [mm] "8-Pin Small Outline Integrated Circuit 1.27 mm Pitch, IPC Medium Density"
  oval 2.2x0.6 smd: 1(-2.4,1.905) 2(-2.4,0.635) 3(-2.4,-0.635) 4(-2.4,-1.905) 5(2.4,-1.905) 6(2.4,-0.635) 7(2.4,0.635) 8(2.4,1.905)
  silkscreen extent -2.51,-2.5 0.9,2.92, body extent -2.89,-2.45 2.89,2.46, height 1.75
SOT223_M [mm] "SOT223, 4-Leads, Body 6.5x3.5mm, Pitch 2.3mm, Lead Span 7mm, IPC Low Density"
  rect 2.7x1 smd: 1(-2.95,2.3) 2(-2.95,0) 3(-2.95,-2.3)
  rect 2.7x3.3 smd: 4(2.95,0)
  silkscreen extent -3.07,-3.35 1.3,3.47, body extent -1.85,-3.35 1.85,3.35, height 1.7
WCAP-ATG8_8x11.5x3.5x0.5 [mm] "Polarized capacitors, Aluminum Electrolytic Capacitors, 2-Leads, Body 8x11.5x3.5x0.5"
  rect 1.3x1.3 hole 0.8: 1(1.75,0)
  round 1.3 hole 0.8: 2(-1.75,0)
  silkscreen extent -4,-4 4,4, body extent -3.99,-4 3.97,3.98, height 11.61
"WCAP-CSGP_0603, 1.6x0.8x0.8" [mm] "WCAP-CSGP Ceramic Capacitors, size 0603, body 1.6x0.8x0.8"
  rect 0.8x0.8 smd: 1(-0.75,0) 2(0.75,0)
  silkscreen extent -1.35,-0.6 1.35,0.6, body extent -0.8,-0.4 0.8,0.4, height 0.8
"WCAP-CSGP_0805, 2x1.25x1.25" [mm] "WCAP-CSGP Ceramic Capacitors, size 0805, body 2x1.25x1.25"
  rect 0.9x1.3 smd: 1(-0.95,0) 2(0.95,0)
  silkscreen extent -1.6,-0.85 1.6,0.85, body extent -1,-0.62 1,0.63, height 1.22
"WE-CBF_0603_High Current" [mm] "SMD EMI Suppression Ferrite  Bead, body 1.6mmx0.8mm"
  rect 0.95x0.7 smd: 1(-0.825,0) 2(0.825,0)
  silkscreen extent -1.55,-0.6 1.55,0.6, body extent -0.8,-0.4 0.8,0.4, height 0.8
"WE-CBF_0805_High Current" [mm] "SMD EMI Suppression Ferrite  Bead, body 2.0mmx1.2mm"
  rect 1.4x1 smd: 1(-1.3,0) 2(1.3,0)
  silkscreen extent -2.25,-0.75 2.25,0.75, body extent -1,-0.6 1,0.6, height 0.93

## Part data
ADC1.8 ADC1.9 "FPGA ADC0" "FPGA ADC1" "FPGA ADC2" "FPGA ADC3" "FPGA ADC4" "FPGA ADC5" "FPGA ADC6" "FPGA ADC7" "FPGA US1" J16000 J16100 J16200 J16300 J16400 J16500 US2 US3 US4 US5: "MULTICOMP - MC34645 - EMB. MALE COUDEE  CON. MALE 2.54MM 4VOIE"
B1 B2: "TERM BLOCK 2POS SIDE ENT 3.5MM"
C1 C2 C81 C171 C173 C4001: library part "WCAP-ATG8, 860010474013", "CAP Alu 470 UF 20% 25 V"
C3 C2100 C2400 C11000 C11010 C11020 C11030 C11040 C11050 C11060 C11070 C11080 C11090 C11100 C11110: library part "WCAP-CSGP, 885012207103", "CAP CER 1uF 50V X7R 0805"
C80 C170 C172 C4002 C5000 C5001 C6100 C7000 C7100 C8000 C8100 C9000 C9100 C13000 C14000 C14100 C15000 C15100 C15200 C15300 C15400 C16000 C16100 C16200 C16300 C16400 C16500 C17000 C17100 C17200 C17300 C17400 C17500 C17600 C17700 C99000 C99100: library part "WCAP-CSGP, 885012206095", "CAP CER 100nF 50V X7R 0603"
C4000 C4010 C4020 C4030 C4040 C4050 C4060 C4070 C4080 C4090: library part "WCAP-CSGP, 885012207053", "CAP CER 4.7uF 16V X7R 0805"
C8001 C8101 C15001 C15101 C15201 C15301 C15401 C17001 C17101 C17201 C17301 C17401 C17501 C17601 C17701: library part "WCAP-CSGP, 885012206093", "CAP CER 47nF 50V X7R 0603"
CN7 CN10: "CONN RCPT .100\" 38POS DUAL TIN"
FB2: library part "WE-CBF, 742792023", "Ferrite Bead 120ohm 0805 max3.0A"
FB9000 FB9100 FB99000 FB99100: library part "WE-CBF, 742792624", "Ferrite Bead 180ohm 0603 max1.5A"
J4000 J4010 J4020 J4030 J4040 J4050 J4060 J4070 J4080 J4090: library part 20-03-5035
J9000 J9100: library part 690367280676, "WR-MM Female SMT Connector with Polarization"
R1 R2 R5 R6 R7 R8 R9 R12 R13 R14 R15 R16 R17 R18 R19 R20 R21 R22 R23 R24 R25 R26 R27 R28 R29 R31 R32 R33 R34 R35 R36 R38 R39 R40 R41 R42 R43 R44 R45 R46 R47 R48 R49 R50 R51 R52 R53 R54 R56 R57 R58 R60 R61 R62 R63 R64 R65 R66 R67 R68 R69 R70 R71 R72 R73 R74 R75 R76 R77 R78 R79 R80 R81 R82 R83 R84 R85 R86 R87 R88 R89 R90 R91 R92 R93 R94 R95 R96 R97 R98 R99 R100 R101 R102 R103 R104 R105 R106 R107 R108 R109 R110 R111 R112 R113 R114 R115 R116 R117 R118 R119 R120 R121 R122 R123 R124 R125 R126 R127 R128 R129 R130 R131 R132 R133 R134 R135 R136 R137 R138 R139 R140 R141 R142 R143 R144 R145 R146 R147 R148 R149 R150 R151 R152 R153 R8000 R8100 R15000 R15100 R15200 R15300 R15400 R17000 R17100 R17200 R17300 R17400 R17500 R17600 R17700: "RES SMD 22 OHM 1% 1/16W 0402"
R4000 R4001 R4002 R5000 R5001 R6100 R6101 R13000 R13001 R99000 R99001 R99002 R99100 R99101 R99102: "RES SMD 100 OHM 1% 1/16W 0402"
U4000: "IC TXRX RS485/RS422 8-UMAX"
U5000: "IC TRANSCEIVER CAN HI-SPD 8-SOIC"

## Free pads (board coordinates)
  round 60 hole 35.43 paste+0: 1(7200,9500) 1(7350,11050) 1(7350,11750) 1(7450,11050) 1(7450,11750)
  round 60 hole 35.43: 18(7150,9200)
  round 60 hole 35: 20(9900,11550) 21(9900,11450)

## Via types
v1: diameter 24, hole 12, Component Side to Solder Side, 125 vias
v2: diameter 120, hole 120, Component Side to Solder Side, 5 vias
v3: diameter 24, hole 12, Component Side to Solder Side, tented top, 4 vias